# Allegro board A733_PRO3_AXP318_LPDDR5_FBGA315BALL_32X1_V2_0.brd (continued)
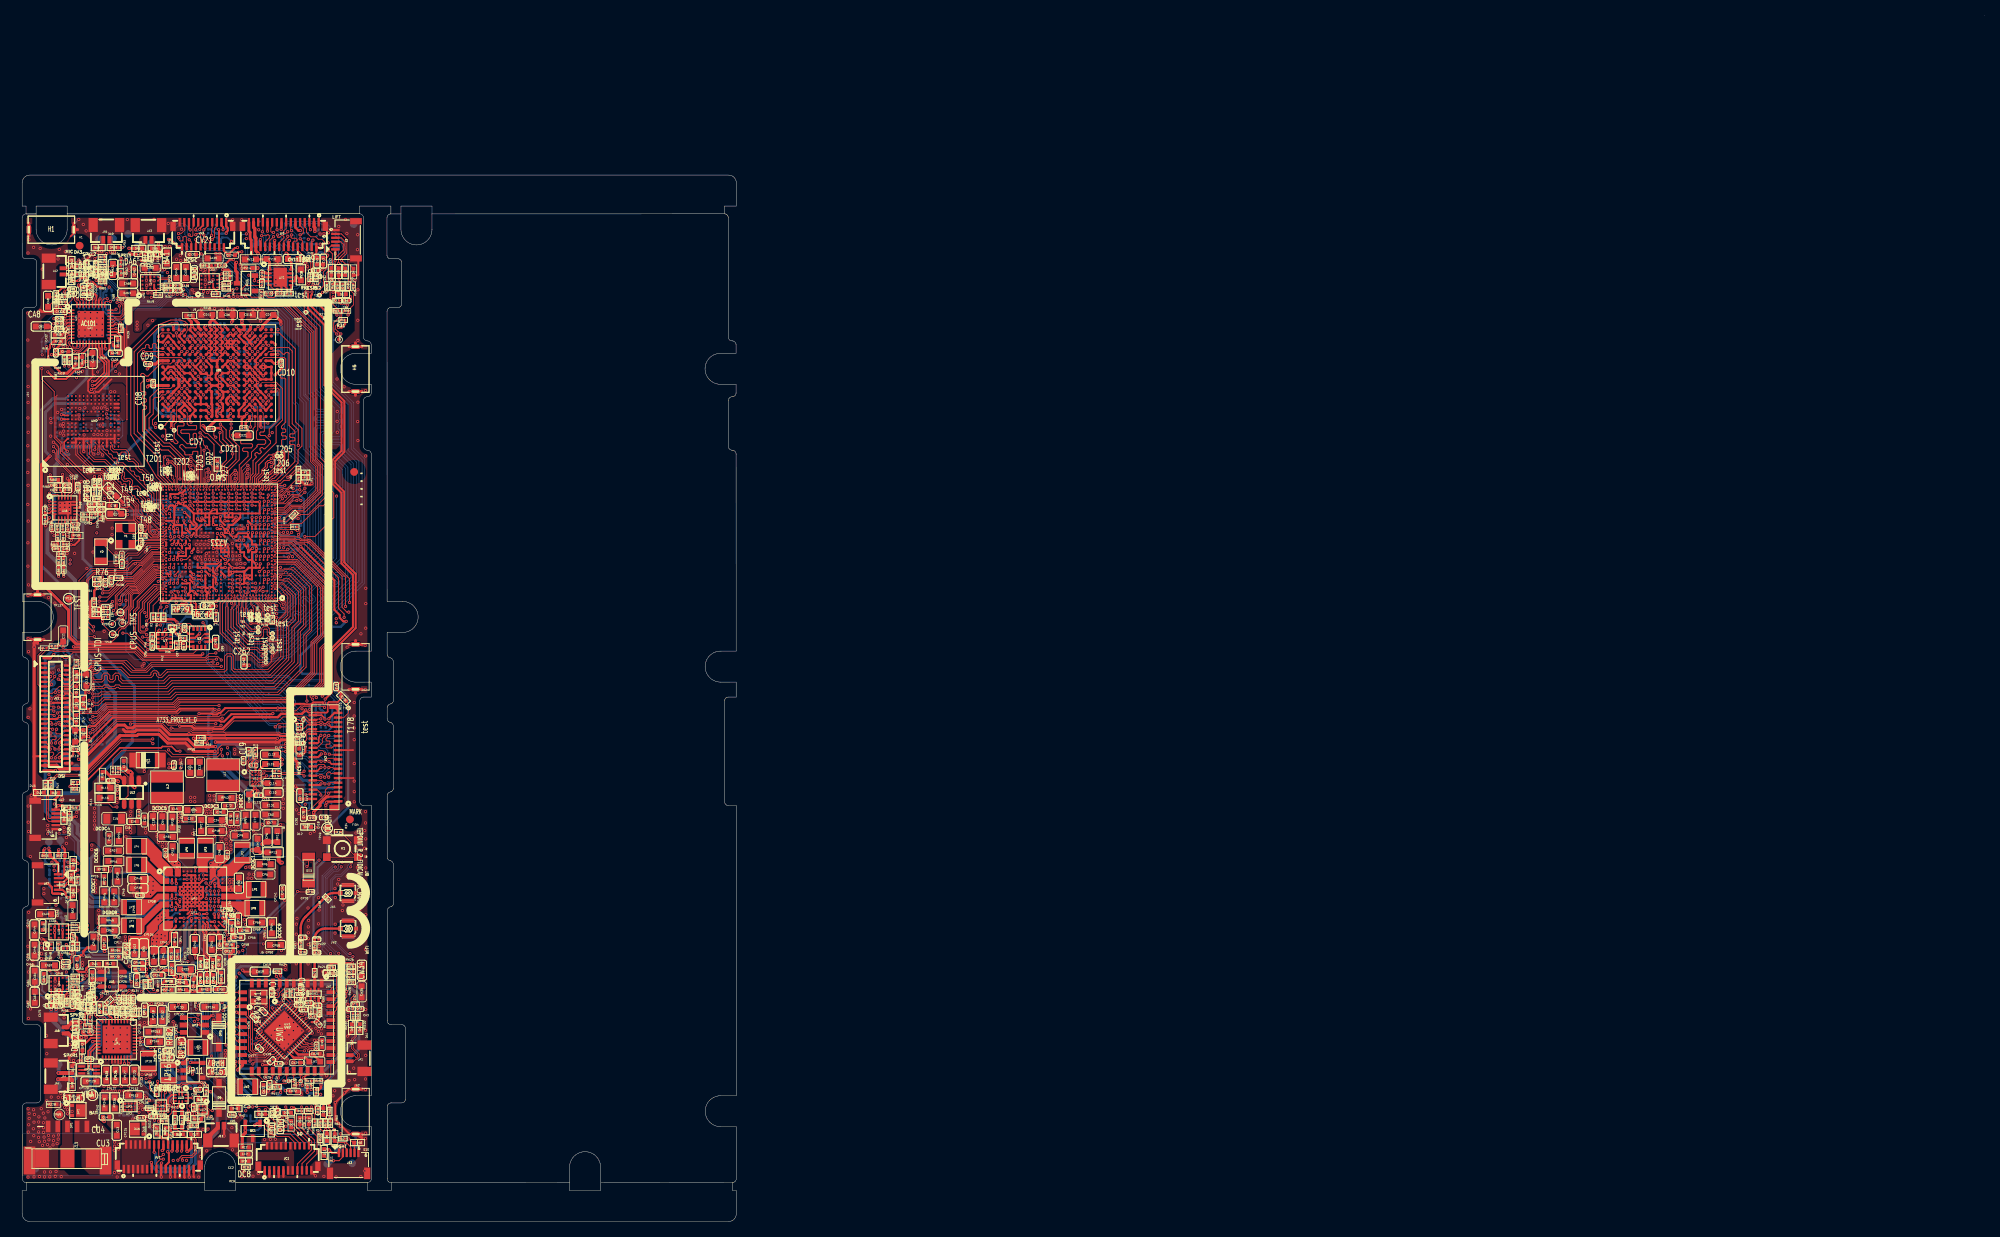
[diagram p0: board, top side]
## Routing (per net, layer and track width the routed paths; a pad name or vN(x,y) marks a point on that pad's centre or on a via; arc(x,y) is an arc through that point) (continued)
VDD-CORE/HP-DET: length 2.5
  TOP w0.102: UA1.35 9.06,118.95 v1(9.16,119.05)
  BOTTOM w0.102: RA12.1 9.66,119.55 v1(9.16,119.05) 9.25,118.97 CA11.1
VLED+:
  vias: v1(13.95,52.39) v1(14.01,52.87) v1(15.48,71.65) v1(15.72,72) v1(15.75,58.47) v1(15.75,58.06)
VLED-:
  vias: v1(3.51,70.85) v1(3.95,70.78) v1(5.13,54.69) v1(5.12,54.26)
VOL+: length 8.7
  TOP w0.114: R25.2 40.63,120.95 R57.1 40.36,121.32 40.36,122.54 D2.2 40.34,123.45 40.34,124 v1(40.36,124.01) 40.34,124.03 40.34,124.26 41.41,125.32 41.41,126.1 41.09,126.42 J2.3
  BOTTOM w0.102: v1(40.36,124.01) 40,124.01 TP31.1
VOL+1: length 7.3
  TOP w0.114: 38.84,10.86 D8.2
  TOP w0.127: D8.2 39.93,9.78 v1(41.16,9.78) 41.42,9.78 41.85,9.35 J12.3 ; 38.84,10.86 38.84,11.57 38.43,11.98 R50.2 38.42,12.42 R61.1
  BOTTOM w0.102: v1(41.16,9.78) 40.67,9.3 TP51.1
VOL-: length 10.9
  TOP w0.114: R26.2 R58.1 42.08,120.99 42.08,122.52 D3.2 41.01,123.6 v1(40.79,123.6) 40.79,124.25 41.62,125.08 41.62,126.43 41.14,126.92 J2.4
  BOTTOM w0.114: TP32.1 40.51,125.67 40.79,125.4 v1(40.79,123.6)
VOL-1: length 8.8
  TOP w0.127: J12.4 42.35,9.64 41.86,10.12 v1(41.69,10.12) 41.63,10.18 40.52,10.18 D9.2 39.72,10.99 39.72,11.82 R51.2 39.73,12.43 R62.1
  BOTTOM w0.102: TP50.1 39.36,10.36 41.45,10.36 v1(41.69,10.12)
VRA1/MIC2P: length 4.8
  TOP w0.102: UA1.14 8.26,113.03 8.12,112.88 8.12,112.85 7.45,112.19 7.24,112.19 7.11,112.06 v1(7.11,112.04) 6.96,111.88 6.46,111.88 6.11,111.53 RA87.2
  BOTTOM w0.102: CA2.1 8.01,112.94 v1(7.11,112.04)
VRA2/MIC2N: length 4.9
  TOP w0.102: RA88.2 5.46,111.73 CA4.2 5.99,112.25 v1(6.64,112.25) 6.83,112.25 6.96,112.39 7.37,112.39 7.86,112.89 UA1.13
  BOTTOM w0.102: RA6.2 7.39,113 v1(6.64,112.25)
VREF: length 1.1
  TOP w0.254: UP1.N10 v1(23.85,39.17)
  BOTTOM w0.305: v1(23.85,39.17) 24.12,38.9 CP21.2
WCK0N-A: length 28.2
  TOP w0.076: v1(18.74,96.65) 19.28,96.12 19.28,95.85 19.49,95.64 19.49,95.21 19.77,94.92 U1.AU33
  TOP w0.127: v1(20.58,112.26) 20.23,111.9 UD1.D11
  L4 w0.127: v1(20.58,112.26) 20.59,112.27 20.61,112.27 20.62,112.28 20.8,112.28 21.29,112.78 21.29,113.3 20.66,113.93 18.35,113.93 17.06,112.64 16.65,111.95 14.7,109.14 14.7,100.24 17.01,97.93 17.01,97.45 17.81,96.65 v1(18.74,96.65)
WCK0N-B: length 19.4
  TOP w0.114: U1.1AF6 28.75,93.85 v1(28.63,93.97)
  TOP w0.127: UD1.V5 30.19,107.05 30.38,106.86 30.38,106.67 v1(30.38,106.66)
  L4 w0.076: v1(28.63,93.97) 28.76,94.11 28.76,94.36 28.7,94.42 28.57,94.42 28.5,94.49 28.5,94.61 28.56,94.67 28.71,94.67 28.76,94.71 28.76,95.03 29.21,95.48 29.21,95.52 29.23,95.53
  L4 w0.127: v1(30.38,106.66) 30.3,106.66 30.21,106.76 30.21,107.04 30.34,107.17 30.71,107.17 30.81,107.07 30.81,106.66 30.91,106.57 31.12,106.57 31.21,106.66 31.21,107.08 31.3,107.17 31.78,107.17 32.13,106.82 32.13,106.65 32.13,106.65 32.13,102.78 30.25,100.89 30.25,96.55 29.23,95.53
WCK0P-A: length 28.2
  TOP w0.076: v1(18.73,97.16) 18.87,97.3 19.07,97.3 19.23,97.14 19.23,96.45 19.48,96.2 19.48,95.87 19.64,95.7 19.64,95.28 20.01,94.91 20.01,94.7 19.77,94.46 U1.AT33
  TOP w0.127: v1(20.57,113.06) 20.78,113.06 20.93,112.91 UD1.E12
  L4 w0.127: v1(20.57,113.06) 20.56,113.05 20.56,112.83 20.65,112.73 20.83,112.73 21,112.9 21,113.18 20.54,113.64 18.47,113.64 17.3,112.46 16.89,111.79 14.99,109.05 14.99,100.36 17.3,98.05 17.3,97.57 17.93,96.95 18.52,96.95 v1(18.73,97.16)
WCK0P-B: length 19.6
  TOP w0.114: v1(28.62,93.47) 28.74,93.35 U1.1AE6
  TOP w0.127: UD1.U4 29.69,106.61 29.69,106.64 29.67,106.66 v1(29.67,106.66)
  L4 w0.076: v1(28.62,93.47) 28.94,93.79 28.94,94.87 29.38,95.31 29.42,95.31 29.43,95.33
  L4 w0.127: v1(29.67,106.66) 29.67,106.66 29.7,106.66 29.85,106.82 29.85,107.09 30.22,107.46 31.9,107.46 32.42,106.94 32.42,106.78 32.43,106.77 32.43,102.66 30.54,100.77 30.54,96.43 29.43,95.33
WCK1N-A: length 18.1
  TOP w0.076: v1(21.72,96.54) 21.43,96.84 21.32,96.84 21.26,96.77 21.26,95.33 21.54,95.05 21.54,94.64 U1.AT28
  TOP w0.089: v1(19.88,106.65) 19.9,106.67 20.11,106.68 20.24,106.82 UD1.D5
  L4 w0.127: v1(19.88,106.65) 19.87,106.66 19.87,107 19.75,107.13 18.89,107.13 17.99,106.23 17.99,103.81 18.36,103.43 18.36,102.82 20.52,100.67 20.52,100.33 21.33,99.51 21.33,96.55 21.44,96.44 21.62,96.44 v1(21.72,96.54)
WCK1N-B: length 23.9
  TOP w0.127: UD1.V11 30.38,112.23 v1(30.38,112.25) ; v1(33.39,98.74) 33.39,98.74 33.39,98.63 33.33,98.57 33.33,97.69 32.07,96.43 32,96.43 30.9,95.34 30.9,94.72 30.59,94.4 U1.AT6
  L4 w0.114: 31.1,112.04 31.11,112.04 31.49,112.04 32,112.55 33.23,112.55 34.21,111.57
  L4 w0.127: 31.1,112.04 30.58,112.04 30.38,112.24 v1(30.38,112.25) ; v1(33.39,98.74) 33.39,98.74 33.25,98.88 33.25,100.56 34.21,101.52 34.21,111.57
WCK1P-A: length 17.9
  TOP w0.076: U1.AU28 21.72,94.86 21.72,95.08 21.41,95.4 21.41,95.72 v1(21.73,96.03)
  TOP w0.089: v1(20.58,106.67) UD1.E4
  L4 w0.127: v1(21.73,96.03) 21.63,96.13 21.62,96.13 21.6,96.15 21.32,96.15 21.04,96.43 21.04,99.39 20.22,100.21 20.22,100.55 18.07,102.7 18.07,103.31 17.7,103.69 17.7,106.35 18.77,107.42 19.87,107.42 20.16,107.13 20.16,106.97 20.29,106.84 20.41,106.84 v1(20.58,106.67)
WCK1P-B: length 23.9
  TOP w0.127: U1.AU6 30.57,95.02 30.65,95.09 30.65,95.44 31.89,96.69 31.96,96.69 33.07,97.79 33.07,98.55 v1(32.87,98.76) ; v1(29.68,112.24) UD1.U12
  L4 w0.114: 33.78,111.6 33.12,112.27 32.11,112.27 31.61,111.76 31.13,111.76 31.12,111.75 31.1,111.75
  L4 w0.127: v1(32.87,98.76) 32.96,98.85 32.96,100.68 33.92,101.64 33.92,111.47 33.78,111.6 ; 31.1,111.75 30.04,111.75 29.68,112.11 v1(29.68,112.24)
WL-REG-ON: length 114.7
  TOP w0.114: v1(37.43,24.32) 37.27,24.16 36.89,24.16 UW3.34 ; v1(9.21,76.72) 9.19,76.72 9.16,76.7 9.15,76.7 8.48,77.36 8.48,82.67 9.35,83.53 14.06,83.53 15.18,84.65 15.47,84.65 16.92,86.1 18.08,86.1 U1.R37 ; UW2.12 27.47,29.57 v1(27.06,29.99)
  L4 w0.114: v1(9.21,76.72) 9.29,76.72 10.34,75.67 10.34,75.27 11.91,73.7 11.91,59.46 10,57.55 10,50.3 9.6,49.9 9,49.9 8.06,48.96 8.06,46.81 7.9,46.65 7.9,42.3 7.61,42.01 7.61,36.38 8.3,35.69 8.3,32.78 7.57,32.05 7.57,29.62 10.68,26.51 19.53,26.51 21.69,24.35 23.2,24.35 23.83,24.98 23.83,27.36 24.28,27.8 25.32,27.8 v1(25.78,28.27)
  BOTTOM w0.114: v1(37.43,24.32) 36.87,24.32 33.77,21.22 33.22,21.22 31.13,23.3 30.37,23.3 30.36,23.29 29.77,23.29 26.27,26.79 25.79,26.79 25.47,27.11 25.47,27.46 25.78,27.77 v1(25.78,28.27) 26.39,28.27 RW17.2 26.42,29.35 v1(27.06,29.99) 27.54,30.46 RW15.1
WL-SDIO-CLK: length 81
  TOP w0.114: UW2.17 27.39,25.07 v1(27.37,25.1) ; v1(29.38,21.22) 29.48,21.12 31.32,21.12 32.12,21.92 32.38,21.92 UW3.20
  L4 w0.114: v1(27.37,25.1) 27.36,25.1 27.36,25.89 26.91,26.33 26.91,28.2 27.44,28.73 27.44,30.83 30.68,34.08 30.68,37.33 30.89,37.53 30.89,38.08 31.65,38.85 31.65,49.1 29.59,51.16 29.59,54.66 28.37,55.88 28.37,67.49 33.14,72.26 33.14,75.93 34.42,77.21 34.42,84.8 33.71,85.51 v1(33.71,86.93)
  BOTTOM w0.114: 27.37,25.07 28.69,23.74 28.69,21.9 v1(29.38,21.22) ; 27.37,25.07 v1(27.37,25.1) ; 27.37,25.07 27.15,25.07 26.46,24.38 CW15.2 ; RW1.2 33.29,86.51 v1(33.71,86.93) 33.76,86.93 34.15,87.32 RW11.1
WL-SDIO-CMD: length 83.1
  TOP w0.114: v1(26.54,25.51) 27.01,25.97 UW2.16 28.56,25.97 29.2,25.34 29.2,21.96 29.79,21.37 31.22,21.37 31.99,22.14 32.11,22.14 UW3.19 ; v1(31.26,87.85) 31.12,87.72 U1.1N2
  L4 w0.114: v1(31.26,87.85) 32.92,86.19 32.92,84.23 33.71,83.45 33.71,82.48 33.31,82.09 33.31,77.44 31.78,75.91 31.78,75.55 31.45,75.22 31.45,74.53 31.81,74.16 31.81,72 27.6,67.79 27.6,62.94 26.99,62.33 26.99,60.14 27.58,59.56 27.58,55.56 28.78,54.36 28.78,50.32 30.16,48.94 30.16,48.53 30.78,47.91 30.78,39.06 30.11,38.4 30.11,37.79 29.89,37.56 29.89,34.96 26.26,31.32 26.26,25.78 v1(26.54,25.51)
  BOTTOM w0.114: v1(31.26,87.85) 31.68,87.43 RW12.1
WL-SDIO-D0: length 83.3
  TOP w0.114: v1(31.76,87.85) 31.62,87.71 U1.1N1 ; v1(26.98,24.1) 27.73,24.1 27.8,24.17 UW2.18 ; UW3.21 32.52,21.56 32.13,21.56 31.41,20.83 29.5,20.83 v1(29.37,20.7)
  L4 w0.114: v1(31.76,87.85) 33.35,86.27 33.35,85.13 34.05,84.43 34.05,77.53 32.71,76.19 32.71,72.42 27.96,67.67 27.96,55.62 29.1,54.49 29.1,50.45 30.47,49.07 30.47,48.65 31.11,48.02 31.11,38.87 30.45,38.21 30.45,37.68 30.21,37.43 30.21,34.82 26.57,31.19 26.57,26.06 26.9,25.73 26.9,24.18 v1(26.98,24.1)
  BOTTOM w0.114: v1(31.76,87.85) 31.85,87.77 32.83,87.77 33.11,88.05 RW10.1 ; v1(29.37,20.7) 28.77,20.7 28.04,21.44 28.04,23.55 27.48,24.1 v1(26.98,24.1)
WL-SDIO-D1: length 81.7
  TOP w0.114: v1(27.38,23.61) 27.71,23.27 UW2.19 ; UW3.22 32.77,21.32 32.26,21.32 31.54,20.59 30.01,20.59 v1(29.74,20.32) ; U1.R2 32.21,86 32.47,85.74 34.33,85.74 34.34,85.74 v1(34.35,85.74)
  L4 w0.114: v1(27.38,23.61) 27.88,24.12 27.88,26 27.28,26.6 27.28,27.92 27.97,28.61 27.97,30.66 31.69,34.38 31.69,38.24 32.04,38.58 32.04,49.42 30.07,51.38 30.07,54.83 28.77,56.12 28.77,67.29 33.61,72.13 33.61,75.78 34.78,76.94 34.78,85.09 34.35,85.52 v1(34.35,85.74)
  BOTTOM w0.114: v1(29.74,20.32) 28.56,20.32 27.66,21.22 27.66,23.33 v1(27.38,23.61) ; RW9.1 33.87,85.74 v1(34.35,85.74)
WL-SDIO-D2: length 77.1
  TOP w0.102: U1.R1 32.75,86.18 34.45,86.18 v1(34.86,85.77)
  TOP w0.114: UW3.17 31.59,22.61 31.59,22.44 30.96,21.8 30.05,21.8 29.71,22.15 29.71,26.05 29.19,26.57 29.19,27.25 28.67,27.77 UW2.14 27.69,27.77 v1(27.64,27.72)
  L4 w0.114: v1(34.86,85.77) 34.86,85.51 35.05,85.31 35.05,76.71 33.95,75.61 33.95,71.98 29.09,67.11 29.09,56.26 30.47,54.88 30.47,52.34 31.4,51.41 31.4,50.63 32.37,49.66 32.37,38.43 32.01,38.06 32.01,34.22 28.34,30.56 28.34,28.42 v1(27.64,27.72)
  BOTTOM w0.114: v1(34.86,85.77) 34.86,85.95 RW14.1
WL-SDIO-D3: length 80.7
  TOP w0.076: U1.T2 32.41,86.64 32.75,86.64 32.8,86.59
  TOP w0.102: v1(34.25,86.73) 34.11,86.59 32.8,86.59
  TOP w0.114: v1(27.65,27.01) 27.78,26.87 UW2.15 28.56,26.87 29.45,25.99 29.45,22.1 29.96,21.59 31.06,21.59 UW3.18
  L4 w0.114: v1(27.65,27.01) 28.69,28.05 28.69,30.36 32.32,34 32.32,37.91 32.69,38.27 32.69,49.79 31.72,50.76 31.72,51.55 30.79,52.48 30.79,52.61 30.94,52.76 31.18,52.76 31.31,52.89 31.31,53.1 31.18,53.22 30.92,53.22 30.79,53.35 30.79,53.53 30.94,53.68 31.18,53.68 31.31,53.81 31.31,53.99 31.18,54.11 30.92,54.11 30.79,54.24 30.79,55.75 29.4,57.14 29.4,66.85 34.27,71.72 34.27,75.46 35.34,76.53 35.34,86 34.66,86.68 34.3,86.68 v1(34.25,86.73)
  BOTTOM w0.114: v1(34.25,86.73) 34.26,86.72 34.44,86.72 35.04,87.32 RW13.1
WL-WAKE-AP: length 109.1
  TOP w0.114: v1(9.19,76.19) 9.06,76.19 8.27,76.98 8.27,82.75 9.27,83.76 14,83.76 15.09,84.84 15.39,84.84 16.84,86.29 18.06,86.29 U1.T37 ; v1(25.9,27.23) 26.65,27.99 27.11,27.99 27.79,28.67 UW2.13 ; UW3.47 34.54,28.03 34.54,28.22 34.04,28.71 33.87,28.71 33.85,28.73 v1(33.56,28.73)
  L4 w0.114: v1(25.9,27.23) 25.39,26.72 25.39,24.99 23,22.6 19.54,22.6 17.52,24.62 17.52,25.65 17.1,26.07 10.44,26.07 8.98,27.53 7.57,27.53 7.11,28 7.11,33.83 7.28,34 7.28,35.78 7.11,35.95 7.11,41.83 7.65,42.37 7.65,46.84 7.81,46.99 7.81,49.12 8.87,50.19 9.51,50.19 9.75,50.43 9.75,57.65 11.66,59.55 11.66,73.62 10.1,75.17 10.1,75.57 9.5,76.16 9.21,76.16 v1(9.19,76.19)
  BOTTOM w0.114: v1(25.9,27.23) 26.45,27.23 27.34,26.34 30.96,26.34 31.89,27.27 31.89,27.72 32.1,27.93 32.77,27.93 33.2,28.36 33.2,28.36 v1(33.56,28.73)
X32KIN: length 9.6
  TOP w0.102: Y2.1 12.13,85.69 R18.1 12.15,85.7 C62.1 13.08,85.7 13.63,86.24 14.85,86.24 16.04,87.44 18.01,87.44 U1.W37
X32KOUT: length 9
  TOP w0.102: Y2.2 10.19,85.19 R18.2 12.73,85.19 C70.1 13.76,85.98 14.94,85.98 16.16,87.2 U1.V37
XTAL0: length 3.3
  TOP w0.102: YW1.1 29.76,27.96 31.21,26.51 31.62,26.51 UW3.6
N16420226: length 2.1
  TOP w0.114: v1(31.24,90.85) 31.24,90.83 31.12,90.72 U1.1W2
  BOTTOM w0.102: v1(31.24,90.85) 31.78,91.39 TP10.1
N16421057: length 4
  TOP w0.102: Y1.3 13.23,88.75 14.73,88.75 15.15,89.16 C69.1 15.29,89.16 R19.2
N16690963: length 2.3
  TOP w0.381: RD1.1 21.99,116.63 22.72,115.9 22.72,115.37 UD1.H15
N16691273: length 3
  TOP w0.076: U1.AT20 24.97,94.85 24.98,94.86 24.98,95.09 24.97,95.11 24.97,96.49
  TOP w0.114: RD2.1 25.15,96.67 24.97,96.49
N16750069: length 0.5
  TOP w0.114: v1(25.63,91.91) 25.69,91.85 U1.1AB12
N16750085: length 1.8
  TOP w0.076: U1.AT19 25.14,94.64 25.14,95.17 25.14,95.18
  TOP w0.114: T27.1 25.14,95.88 25.14,95.18
N16846076: length 5.7
  TOP w0.112: J1.4 3.45,51.64 3.13,51.95 3.13,55 DU3.2 3.01,55.56 RU3.1
N16846079: length 5.4
  TOP w0.112: J1.3 3.82,52.14 3.67,51.98 3.44,51.98 3.37,52.05 3.37,54.86 DU2.2 3.68,55.5 RU4.1
N16846184: length 3.4
  TOP w0.102: J1.2 5.34,52.64 DU1.2 6.11,52.58 RU1.2 6.12,53.18 RU6.1 6.55,53.42 RU5.1
N16922585: length 1
  TOP w0.102: R43.2 19.14,76.64 U7.1
N16922662: length 0.8
  TOP w0.254: U7.11 19.84,74.69 R42.1
N16922793: length 1
  TOP w0.114: U7.6 17.31,74.69 R46.1
N16923769: length 1.4
  TOP w0.102: U2.1 23.6,76.98 v1(23.32,77.25)
  BOTTOM w0.102: R37.1 23.42,76.85 23.42,77.16 v1(23.32,77.25)
N16924183: length 1.1
  TOP w0.114: R36.2 21.42,74.8 U2.7
N17020418: length 1.3
  TOP w0.102: RU8.1 9.41,30 9.72,30.31 UU1.3
N17060945: length 6.7
  TOP w0.102: JC1.20 36.98,10.1 34.95,12.13 DC1.2 33.65,13.16 33.65,13.41 33.41,13.64 33.06,13.64 RC3.1 RC6.2
N18662749: length 1
  TOP w0.254: UP1.B15 UP1.B14 UP1.A14
N18662765: length 4.9
  BOTTOM w0.102: RP268.2 23.83,46.2 24.19,46.56 24.54,46.56 25,47.01 25,49.53 v1(24.8,49.73)
N18662778: length 10.3
  BOTTOM w0.102: v1(13.37,49.64) 16.12,49.64 16.97,48.78 16.97,47.13 19.95,44.16 RP269.2
N18662816: length 5.4
  BOTTOM w0.102: v1(21.99,50.05) 22.25,50.05 22.45,49.85 22.45,46.25 22.77,45.93 RP270.2
N18662882: length 13
  TOP w0.203: v1(24.29,43.66) 24.31,43.66 24.71,44.06 24.71,44.06 UP1.C13
  TOP w0.406: CP6.2 31.62,49 32.86,49 RP11.1
  TOP w0.508: v1(30.96,48.69) 31.27,49 CP6.2 32.86,49 RP11.1
  BOTTOM w0.381: v1(24.29,43.66) 24.33,43.7 24.33,43.85 24.62,44.14 24.78,44.14 24.88,44.23
  BOTTOM w0.508: 24.88,44.23 29.33,48.69 v1(30.96,48.69)
N18662888: length 9.2
  TOP w0.254: UP1.E13 24.82,43.57 24.85,43.6 v1(24.85,43.62)
  TOP w0.457: v1(29.64,47.91) 29.69,47.96 CP7.2 30.7,47.62 RP13.1
  BOTTOM w0.381: v1(29.64,47.91) 29.49,47.91 25.23,43.65 24.9,43.65 24.88,43.62 v1(24.85,43.62)
N18662918: length 7.4
  BOTTOM w0.102: v1(28.4,50.43) 27.28,49.3 27.28,47.71 26.99,47.43 26.07,47.43 25.67,47.04 25.67,45.86 25.46,45.65 25.44,45.65 RP267.2
N19036844: length 2.8
  TOP w0.102: RA102.2 8.23,123.21 CA16.2 8.31,123.22 8.63,122.89 CA20.1 9.14,123.18 CA19.2 9.48,123.17 RA21.2
N19036851: length 2.7
  TOP w0.102: RA103.2 8.23,122.2 CA24.1 8.67,122.21 CA20.2 9.29,122.39 CA22.2 9.48,122.56 RA23.2
N19036859: length 2.5
  TOP w0.102: RA23.1 11.28,122.56 CA21.2 11.98,122.15 12.43,122.6 RA25.1
N19036860: length 2.4
  TOP w0.102: RA21.1 11.27,123.17 11.66,123.57 CA21.1 11.95,123.57 12.27,123.24 RA19.1
N19036897: length 0.7
  BOTTOM w0.305: CA29.2 5.22,45.21 RA34.2
N19036898: length 0.7
  BOTTOM w0.305: CA31.2 3.51,45.37 RA35.2
N19036918: length 1.4
  TOP w0.203: v1(4.08,115.84) 4.09,115.85 CA32.2
  BOTTOM w0.203: v1(4.08,115.84) 3.87,115.84 RA32.1
N19036920: length 0.9
  TOP w0.102: CA28.2 4.1,116.49 v1(4.1,116.48)
  BOTTOM w0.114: v1(4.1,116.48) 4.2,116.58 RA31.1
N19037011: length 5.6
  TOP w0.203: UA1.16 9.06,112.08 CA25.1 8.8,112.06 8.57,111.84 8.57,111.82 8.54,111.78 v1(8.35,111.78) ; UA1.20 10.66,112.78 10.78,112.66 v1(10.78,112.59)
  BOTTOM w0.203: v1(8.35,111.78) 9.16,112.59 v1(10.78,112.59)
N19037016: length 4
  TOP w0.203: 12.19,114.78 UA1.23
  TOP w0.254: 12.19,114.78 12.82,114.15 12.82,112.38 12.47,112.03 CA26.1
N19037020: length 2.1
  TOP w0.203: UA1.21 11.25,113.87
  TOP w0.254: CA26.2 11.25,112.36 11.25,113.87
N19037031: length 2.2
  TOP w0.203: UA1.34 9.46,118.77 9.57,118.88 9.57,119.3
  TOP w0.254: 9.57,119.3 9.57,119.48 9.42,119.63 8.85,119.63 CA23.1
N19456046: length 12.3
  TOP w0.203: v1(19.33,87.35) 19.62,87.64 U1.1P25
  TOP w0.305: v1(10.36,83.14) 10.06,83.14 9.87,82.95 R76.2
  L4 w0.178: v1(19.33,87.35) 16.69,87.35
  L4 w0.356: v1(10.36,83.14) 11.05,83.84 12.1,83.84 12.9,84.65 12.9,85.15 13.63,85.88 14.64,85.88 16.12,87.35 16.69,87.35
N20021291: length 5.9
  TOP w0.254: v1(20.86,39.13) 20.82,39.17 UP1.N4
  TOP w0.381: v1(19.68,35.47) 19.66,35.5 RP4.2
  L4 w0.305: v1(19.68,35.47) 20.54,35.47 21.09,36.02 21.09,37.29 20.86,37.52 v1(20.86,39.13)
N20024794: length 12.6
  TOP w0.254: UP1.P7 21.82,39.05 v1(21.85,39.08)
  TOP w0.381: RP23.2 v1(16.02,32.55)
  BOTTOM w0.381: 15.74,32.84 15.74,32.83 v1(16.02,32.55)
  BOTTOM w0.508: 15.74,32.84 15.6,32.98 15.6,34.01 16.32,34.73 20.23,34.73 20.99,35.48 20.99,38.21 v1(21.85,39.08)
N20027125: length 5
  TOP w0.254: UP1.R10 23.32,38.16 23.27,38.11 23.27,37.4 23.4,37.27 23.4,34.42 23.89,33.93 23.89,33.62 RP32.2
N20027189: length 5.5
  TOP w0.203: 23.63,37.56 23.63,38 23.66,38.03 23.66,38.31 23.63,38.34 23.63,38.36 UP1.P10
  TOP w0.254: RP33.2 23.76,34.57 23.76,37.43 23.63,37.56
N20027256: length 11.4
  TOP w0.254: UP1.M8 22.33,39.68 v1(22.84,39.68)
  TOP w0.305: v1(25.09,32.39) 25.38,32.09 RP38.2
  BOTTOM w0.305: v1(22.84,39.68) 22.95,39.57 23.01,39.57 23.36,39.22 23.36,36.28 24.06,35.58 25.82,35.58 26.13,35.28 26.13,33.78 25.09,32.73 v1(25.09,32.39)
N20028135: length 1.5
  TOP w0.381: RP56.2 26.79,38.5 26.12,39.17 UP1.N15
N20102709: length 1.7
  TOP w0.254: U1.1F21 21.7,83.85 22,83.54 22.05,83.54 v1(22.1,83.49)
  BOTTOM w0.254: v1(22.1,83.49) 21.98,83.37 R72.2 21.56,83.18 C3.2
N20102718: length 0.8
  TOP w0.254: U1.1H22 21.12,84.81 21.08,84.76 v1(21.08,84.4)
  BOTTOM w0.254: C4.2 v1(21.08,84.4)
N20423658: length 3.6
  TOP w0.254: QC1.1 30.24,12.66 30.07,12.48 30.03,12.48 v1(29.97,12.42)
  BOTTOM w0.254: CC1.2 30.2,12.94 RC8.1 29.44,12.94 RC7.2 ; CC1.2 30.23,13.59 RC5.2 ; CC1.2 30.23,12.69 v1(29.97,12.42)
N20592319: length 3.2
  TOP w0.114: v1(20.01,89.39) 20.18,89.22 20.18,89.1 20.12,89.04 U1.1T24
  BOTTOM w0.114: R15.2 18.39,90.82 18.39,90.78 R17.2 19.43,89.74 19.7,89.74 20.01,89.43 v1(20.01,89.39)
N20760136: length 154.5
  TOP w0.102: RA7.2 5.55,119.83 v1(5.46,119.93) 5.83,120.3 CA6.2 ; RA100.2 CA3.2 43.26,27.97 CA7.1 43.05,28.19 43.05,28.47 42.91,28.61 v1(42.81,28.61)
  L3 w0.102: v1(42.36,45.76) 42.04,46.07 42.04,46.37 42.06,46.38 42.06,46.41 42.14,46.5 42.14,46.61 42.25,46.72 42.25,68.12 39.9,70.46 39.9,73.01 43.74,76.84 43.74,93.12 41.69,95.16 41.69,104.9 39.96,106.63 39.96,112.54 42.72,115.29 42.72,119.81 41.82,120.71 41.82,126.18 39.47,128.53 30.22,128.53 29.77,128.08 26.72,128.08 26.27,128.53 19.84,128.53 19.33,128.02 9.31,128.02 4.97,123.69 4.97,120.41 v1(5.46,119.93) ; v1(42.27,34.56) 41.75,34.04 41.75,30.28 42.37,29.66 42.37,29.05 v1(42.81,28.61)
  BOTTOM w0.102: v1(42.36,45.76) 41.14,44.53 40.49,44.53 39.97,44.01 39.97,36.56 42.05,34.48 42.19,34.48 v1(42.27,34.56)
N20760138: length 158.1
  TOP w0.102: v1(5.42,118.19) 5.55,118.32 RA11.2 5.87,118.94 5.87,119.38 CA9.2 ; v1(42.85,29.13) 42.79,29.06 42.65,29.06 42.4,28.82 42.4,28.33 CA7.2 42.65,27.99 CA12.1 42.65,27.41 RA101.2
  L3 w0.102: v1(42.64,34.19) 42.18,34.19 41.96,33.96 41.96,30.36 42.57,29.75 42.57,29.23 42.68,29.13 v1(42.85,29.13) ; v1(5.42,118.19) 5.3,118.19 4.77,118.72 4.77,123.77 9.23,128.22 19.25,128.22 19.75,128.73 26.35,128.73 26.8,128.28 29.68,128.28 30.14,128.73 39.55,128.73 42.02,126.26 42.02,120.8 42.92,119.9 42.92,115.21 40.17,112.46 40.17,106.71 41.89,104.98 41.89,95.24 43.94,93.2 43.94,76.76 40.1,72.92 40.1,70.55 42.45,68.2 42.45,46.63 42.34,46.53 42.34,46.46 42.41,46.39 v1(42.41,46.27)
  BOTTOM w0.102: v1(42.64,34.19) 42.06,34.19 39.76,36.48 39.76,44.09 40.41,44.74 41.05,44.74 41.96,45.64 41.96,45.89 42.34,46.27 v1(42.41,46.27)
N20760163: length 2
  TOP w0.102: CA8.2 3.93,118.61 RA13.1 5.05,118.61 RA11.1
N20760165: length 1.8
  TOP w0.102: CA8.1 3.49,119.29 RA5.1 5.04,119.29 RA7.1
N20896224: length 5.9
  TOP w0.102: UL2.4 13.15,54.43 13.65,54.93 13.65,57.39 13.08,57.95 RL13.2 11.72,57.95 RL8.2
N20896373: length 3.2
  TOP w0.381: RL9.1 10.81,58 11.42,57.39 12.66,57.39 UL2.3
N20897435: length 4.5
  TOP w0.152: UL1.C3 30.7,57.19 30.87,57.35 31.35,57.35 v1(31.5,57.5)
  TOP w0.305: v1(33.5,59.02) 33.49,59.03 CL15.2
  BOTTOM w0.254: v1(33.5,59.02) 31.99,57.5 v1(31.5,57.5)
N20897437: length 1.4
  TOP w0.152: UL1.A3 30.49,58.18 30.56,58.26
  TOP w0.305: CL15.1 30.56,58.26
N20897982: length 2.8
  TOP w0.076: UL1.C2 30.12,57.19 30.31,57 30.78,57 30.92,57.14 31.72,57.14
  TOP w0.102: RL15.1 32.06,57.48 31.72,57.14
N20910481: length 1.8
  TOP w0.089: UL1.D3 30.39,56.69 30.39,56.69 30.34,56.67 30.3,56.65 30.23,56.57 30.2,56.53 30.18,56.49 30.18,56.48 UL1.E2
  TOP w0.152: UL1.D3 30.86,56.79 30.96,56.69
  TOP w0.381: CL14.1 31.1,56.55 30.96,56.69
N20919223: length 2.8
  TOP w0.076: UL1.B2 30.13,57.59 30.34,57.8 30.66,57.8 30.73,57.87 30.73,57.92 31,58.19 31.33,58.19
  TOP w0.102: RL17.1 31.41,58.1 31.33,58.19
N20921053: length 2.2
  TOP w0.305: v1(30.45,121.28) RV15.1 30.96,121.33 UV1.4
  BOTTOM w0.305: v1(30.45,121.28) 30.74,121.58 CV14.1
N20921148: length 1.1
  TOP w0.254: RV17.2 34.69,119.76 UV1.6
N20921213: length 2.9
  TOP w0.305: RV13.2 31.48,124.14 CV10.1 31.89,123.81 UV1.1
N20923430: length 3.3
  TOP w0.102: RV10.1 42.07,66.85 T178.1 42.07,65.62 41.47,65.02 JV2.37
N20923542: length 6.6
  TOP w0.102: 36.68,63.04 36.87,63.22 38.09,63.22 38.48,63.22 38.48,63.22 JV2.31
  TOP w0.114: RV9.1 35.71,61.19 T173.1 36.68,62.17 36.68,63.04
N20925531: length 1
  TOP w0.305: CV12.1 30.92,122.44 31.36,122.44 31.48,122.33 UV1.2
N20925545: length 1
  TOP w0.254: UV1.3 31.03,121.83 CV12.2
N20937598: length 13.1
  TOP w0.254: v1(17.03,8.94) 17.01,8.95 JU1.14
  TOP w0.305: v1(21.38,12.19) 21.74,12.19 RU10.2
  BOTTOM w0.381: v1(17.03,8.94) 17.2,8.76 17.2,7.48 17.8,6.88 21.03,6.88 21.83,7.68 21.83,11.75 v1(21.38,12.19)
N20941002: length 19.2
  TOP w0.254: JU1.13 16.71,7.57 v1(16.66,7.62)
  TOP w0.305: v1(24.32,16.73) 24.13,16.73 23.9,16.96 RU9.2
  BOTTOM w0.381: v1(24.32,16.73) 25.13,15.93 25.13,11.47 22.32,8.66 22.32,7.43 21.29,6.4 17.51,6.4 16.66,7.25 v1(16.66,7.62)
N20948804: length 3.3
  TOP w0.102: CA83.2 5.24,86.72 CA86.1
  TOP w0.305: RA62.2 5.36,86.01 CA86.1 5.29,86.17 CA83.2 RA61.1 5.28,87.43 CA84.1
N20948834: length 3.4
  TOP w0.102: RA65.2 4.68,87.39 CA89.1
  TOP w0.305: CA87.1 4.59,87.48 RA65.2 4.62,86.83 CA89.1 4.74,86.7 CA86.2 4.74,85.54 RA63.2
N20948860: length 0.6
  TOP w0.305: RA62.1 5.36,84.98 CA85.2
N20948862: length 0.7
  TOP w0.305: CA88.2 4.7,84.99 RA63.1
N20949019: length 3.5
  TOP w0.254: RA66.1 9.96,91.87 CA93.2
  TOP w0.305: CA94.1 9.97,91.31 CA93.2 9.97,92.54 RA66.1 9.86,92.65 CA96.1 9.93,93.28 RA67.2
N20949047: length 2.9
  TOP w0.305: CA97.1 9.46,91.42 9.26,91.63 CA99.1 9.25,91.86 RA69.2 9.36,92.65 CA96.2 9.25,93.33 RA68.2